# Altium PCB PCB2.PcbDoc (continued)
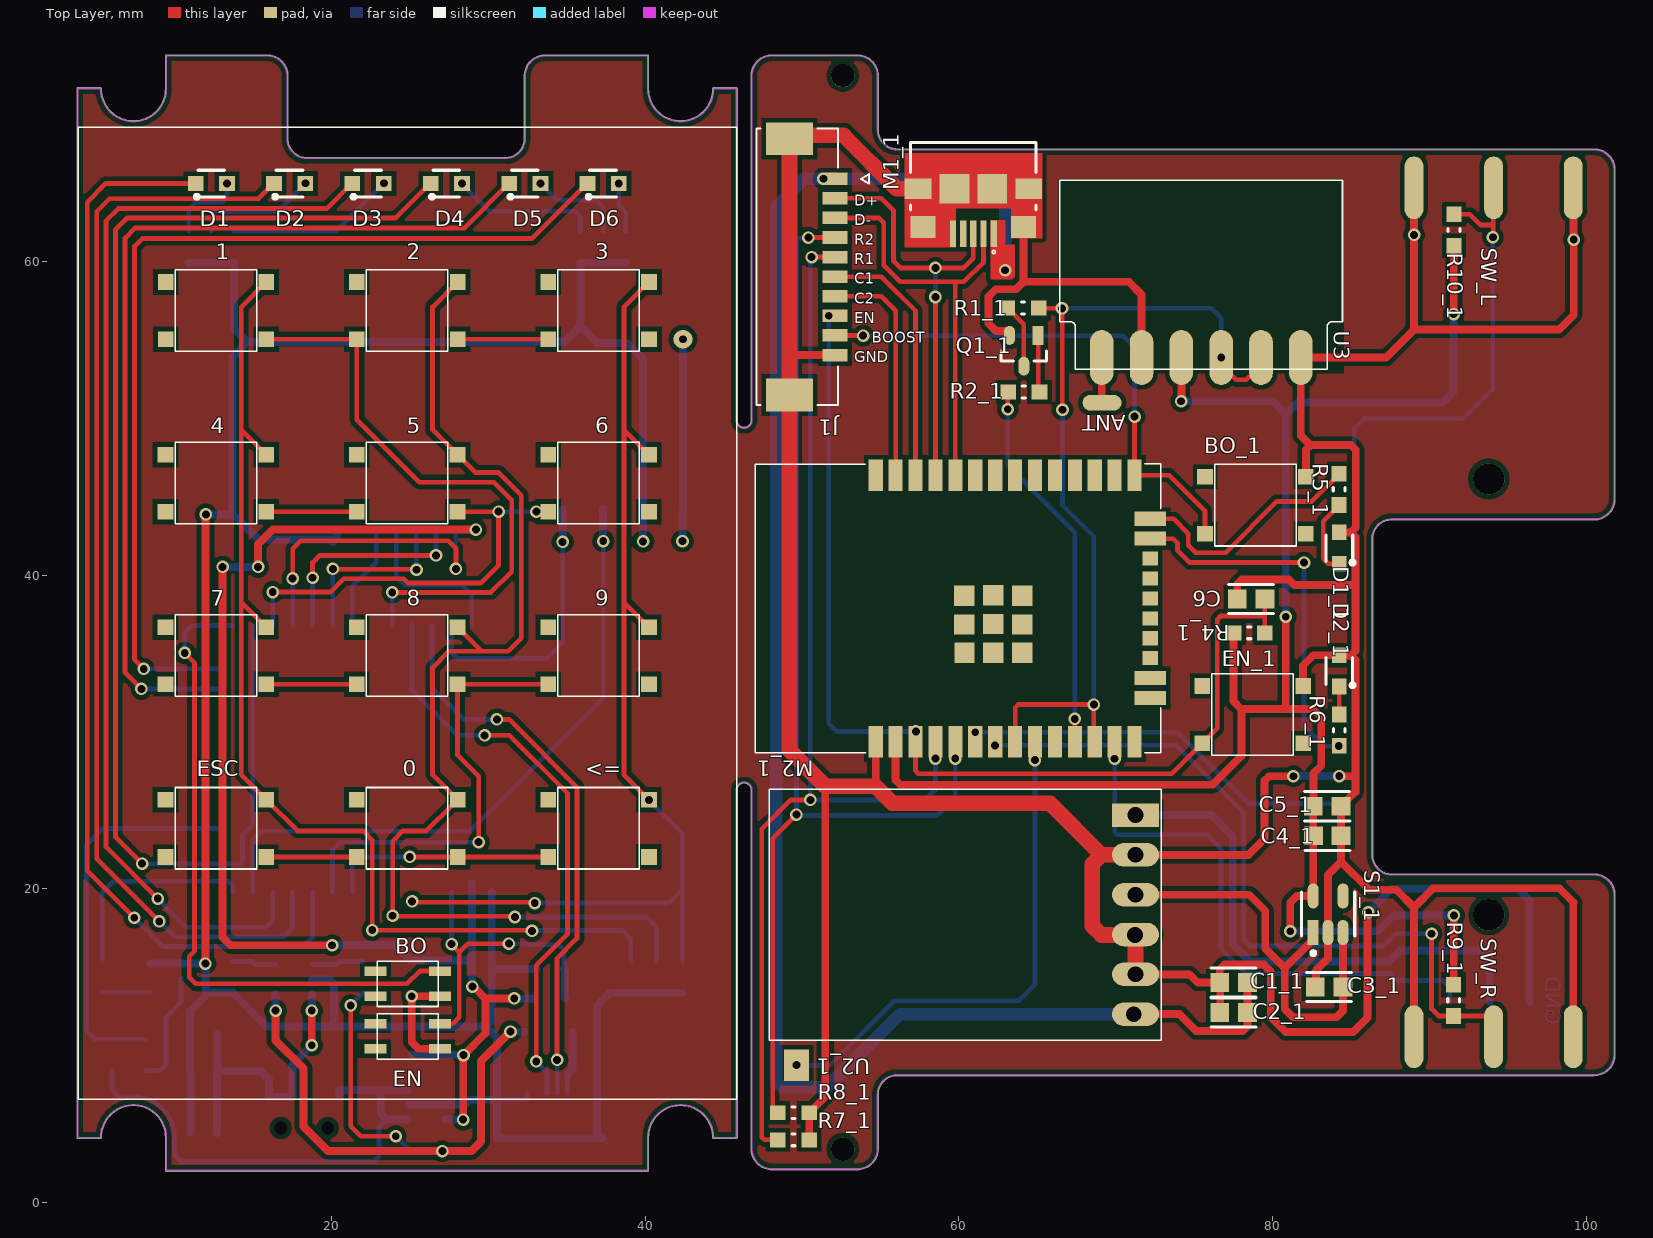
[diagram p0: Top Layer view]
## Part data (continued)

## Free pads (board coordinates)
  rect 1x3 smd far side: 2(12.649,4.674)
  oval 1x3 smd far side: 3(11.024,4.674)
  round 1.5 hole 1.5 unplated: ""(52.586,3.397) ""(52.586,71.892)
  oval 2.5x1 smd: ""(69.132,51.013)
  round 1.5 hole 1: ""(71.157,12.013) ""(71.236,17.067) ""(71.261,14.552) ""(71.261,19.632) ""(71.261,22.172) ""(71.261,24.712)
  oval 1.2x4 smd: ""(89.026,10.572) ""(89.026,64.722) ""(94.106,10.572) ""(94.106,64.722) ""(99.186,10.572) ""(99.186,64.722)
  oval 1.2x4 smd far side: ""(89.034,64.714) ""(91.317,12.826) ""(94.114,64.714) ""(96.397,12.826) ""(99.194,64.714)
  round 2 hole 2 unplated: ""(93.796,18.346) ""(93.796,46.146)
  rect 1.2x4 smd far side: ""(93.857,12.826)

## Via types
v1: diameter 0.8, hole 0.5, Top Layer to Bottom Layer, 91 vias
v2: diameter 0.8, hole 0.5, Top Layer to Bottom Layer, tented bottom, 8 vias
v3: diameter 1.2, hole 0.5, Top Layer to Bottom Layer, 1 vias

## Nets (pads, with @x,y where several pads share a name; then routed paths per layer and width w, separated by ;. In a path a pad name is that pad's centre, name@x,y a point inside that pad or via, vN(x,y) a via of type N, cw(c..) or ccw(c..) an arc to the next point about the centre after c; other vN are vias at no path point)
+3.3: C4.1 C5.1 M1.2 R2.2 S1.5 U1.1 | length 82
  Top Layer w0.5: v1(13.03,40.538) 13.03,16.916 13.538,16.408 v1(20.015,16.408) ; v1(15.291,40.538) 15.291,41.986 16.231,42.926 v1(29.185,42.926) ; v1(28.372,5.283) 28.384,5.296 28.384,9.385 v1(28.397,9.398) 29.794,10.795 29.794,12.827 ; v1(28.968,13.767) 29.042,13.767 29.794,13.015 29.794,12.827 ; v1(31.633,13.015) 29.982,13.015 29.794,12.827
  Bottom Layer w0.5: v1(13.03,40.538) v1(15.291,40.538) ; v1(20.015,16.408) 20.029,16.422 24.04,16.422 25.019,15.443 28.947,15.443 ; C4.1 C5.1 26.954,9.428 28.367,9.428 v1(28.397,9.398) ; S1.5 v1(28.372,5.283) ; M1.2@28.926,20.392 M1.2 28.947,19.782 28.947,15.443 ; v1(28.968,13.767) 28.947,13.788 28.947,15.443 ; v1(31.633,13.015) R2.2
+5: D7.1 DIO1.2 T1.4 | length 30.1
  Top Layer w0.5: v1(16.408,12.243) 16.408,10.338 18.186,8.56 18.186,4.851 19.76,3.278 v1(27.05,3.278) 28.907,3.278 29.515,3.886 29.515,9.021 v1(31.396,10.902)
  Bottom Layer w0.3: v1(27.05,3.278) D7.1
  Bottom Layer w0.5: v1(16.408,12.243) T1.4 ; v1(31.396,10.902) 31.411,10.886 32.294,10.886 DIO1.2
ADC: M1.16 R13.2 R14.2 | length 24.6
  Bottom Layer w0.3: R14.2 R13.2 4.897,10.419 4.343,10.973 4.343,22.784 5.418,23.858 M1.16
ADC_EN: M1.14 R15.2 | length 13.6
  Bottom Layer w0.3: R15.2 5.356,19.783 6.071,20.498 13.386,20.498 13.686,20.198 M1.14
ANT: U2.1 | length 12.9
  Bottom Layer w0.5: v1(42.367,42.189) 42.376,42.198 42.376,44.207 42.389,44.219 42.389,55.063 v3(42.393,55.067)
BAT: C1.1 C3.1 pad.2 SW1.B1 SW1.C1 T1.3 | length 19.6
  Top Layer w0.5: v1(18.72,10.033) v1(18.72,12.243)
  Bottom Layer w0.5: pad.2@12.649,4.42 12.683,4.453 C1.1@12.683,8.374 ; C3.1 C1.1 C1.1@12.683,8.374 ; v1(18.72,10.033) 17.481,8.794 SW1.B1 SW1.C1 15.981,7.869 15.477,8.374 C1.1@12.683,8.374 ; v1(18.72,12.243) 18.73,12.253 18.73,13.263 T1.3
BOOST: BO.2 M1.25 | length 42.1
  Top Layer w0.3: v1(10.617,35.052) 11.239,34.431 11.239,16.039 10.897,15.697 10.897,14.365 11.317,13.945 24.787,13.945 25.601,14.759 BO.2
  Bottom Layer w0.3: v1(10.617,35.052) 10.617,36.347 11.073,36.803 M1.25@13.686,36.803
C1: 0.4 2.4 5.4 8.4 M1.6 R10.2 | length 75.1
  Top Layer w0.3: 8.4 29.567,35.154 ; 2.4 26.424,57.116 26.424,49.301 5.4 29.167,46.558 30.632,46.558 32.082,45.108 32.082,35.994 31.242,35.154 29.567,35.154 ; v1(31.674,18.21) 31.635,18.249 23.915,18.249 v1(23.876,18.288) 23.876,23.038 24.536,23.698 26.026,23.698 27.67,25.342 27.675,25.342 28.02,25.687 28.02,25.692 26.424,27.288 26.424,34.112 27.465,35.154 29.567,35.154
  Bottom Layer w0.3: M1.6 23.876,19.773 v1(23.876,18.288) ; v1(31.674,18.21) 31.676,18.212 40.056,18.212 40.713,17.554 R10.2
C2: 1.4 4.4 7.4 ESC.4 M1.7 R11.2 | length 73.1
  Top Layer w0.3: 7.4 14.224,38.296 ; 4.4 14.224,49.301 ; 1.4 14.224,57.116 14.224,49.301 ; v1(32.766,17.323) 32.729,17.36 22.594,17.36 v1(22.581,17.374) 22.581,23.114 21.996,23.698 17.814,23.698 ESC.4 14.224,27.288 14.224,38.296 ; 14.224,38.296 14.224,49.301
  Bottom Layer w0.3: M1.7 22.581,19.799 v1(22.581,17.374) ; v1(32.766,17.323) 32.791,17.348 38.557,17.348 39.075,16.83 R11.2
C3: 3.4 6.4 9.4 <=.4 M1.5 R12.2 | length 67.7
  Top Layer w0.3: v1(25.121,19.202) 25.171,19.152 32.893,19.152 v1(32.944,19.101) ; v1(40.225,25.663) <=.4 38.629,27.288 38.629,38.296 ; 9.4 38.629,38.296 ; 6.4 38.629,49.301 ; 3.4 38.629,57.116 38.629,49.301 ; 38.629,38.296 38.629,49.301
  Bottom Layer w0.3: v1(32.944,19.101) 41.488,19.101 42.352,19.964 ; v1(40.225,25.663) 42.352,23.536 42.352,19.964 ; R12.2 42.352,19.964
CE: M1.28 U1.3 | length 19.6
  Top Layer w0.3: v1(17.501,39.802) 17.501,41.707 18.009,42.215 27.432,42.215 27.915,41.732 v1(27.915,40.411)
  Bottom Layer w0.3: M1.28 17.501,36.807 v1(17.501,39.802) ; U1.3 27.912,42.973 27.912,40.414 v1(27.915,40.411)
CSN: M1.29 U1.4 | length 13.8
  Top Layer w0.3: v1(18.771,39.853) 18.771,40.818 19.228,41.275 v1(26.645,41.275)
  Bottom Layer w0.3: M1.29 18.771,36.807 v1(18.771,39.853) ; U1.4 26.642,42.973 26.642,41.278 v1(26.645,41.275)
D1: D1.1 M1.10 | length 69.6
  Top Layer w0.3: v1(7.391,18.161) 4.394,21.158 4.394,63.805 5.593,65.003 D1.1
  Bottom Layer w0.3: v1(7.391,18.161) 9.22,16.332 18.186,16.332 18.766,16.912 M1.10
D2: D2.1 M1.11 | length 70.4
  Top Layer w0.3: v1(8.992,17.932) 4.994,21.93 4.994,63.211 5.817,64.033 15.315,64.033 16.285,65.003 D2.1
  Bottom Layer w0.3: v1(8.992,17.932) 9.973,16.951 16.926,16.951 17.496,17.522 M1.11
D3: D3.1 M1.12 | length 71.4
  Top Layer w0.3: v1(8.89,19.38) 5.594,22.676 5.594,62.611 6.382,63.398 19.68,63.398 21.285,65.003 D3.1
  Bottom Layer w0.3: v1(8.89,19.38) 9.602,18.668 10.719,17.551 15.799,17.551 16.226,17.979 M1.12
D4: D4.1 M1.26 | length 84.2
  Top Layer w0.3: v1(7.899,21.615) 6.198,23.317 6.198,62.052 6.944,62.798 24.076,62.798 26.281,65.003 D4.1
  Bottom Layer w0.3: v1(7.899,21.615) 14.124,21.615 14.3,21.791 14.3,23.444 14.956,24.1 M1.26
D5: D5.1 M1.23 | length 60
  Top Layer w0.3: v1(7.849,32.756) 6.807,33.797 6.807,61.519 7.442,62.154 28.436,62.154 31.285,65.003 D5.1
  Bottom Layer w0.3: v1(7.849,32.756) 7.856,32.748 M1.23
D6: D6.1 M1.24 | length 62.4
  Top Layer w0.3: v1(8.001,34.036) 8.001,34.05 7.407,34.644 7.407,60.976 7.925,61.493 32.771,61.493 36.281,65.003 D6.1
  Bottom Layer w0.3: v1(8.001,34.036) 12.668,34.036 M1.24
D+: M1.34 M2.3 | length 37
  Top Layer w0.3: v2(29.743,29.794) 31.329,29.794 35.036,26.087 35.036,17.129 33.034,15.127 v1(33.034,9.003)
  Bottom Layer w0.3: M1.34 25.116,32.669 27.991,29.794 v2(29.743,29.794) ; v1(33.034,9.003) 33.725,8.312 M2.3
D-: M1.35 M2.2 | length 35.9
  Top Layer w0.3: v2(30.531,30.81) 31.318,30.81 35.636,26.492 35.636,16.84 34.366,15.57 v1(34.366,9.093)
  Bottom Layer w0.3: M1.35 26.386,32.847 28.423,30.81 v2(30.531,30.81) ; v1(34.366,9.093) 34.375,9.084 M2.2
DAT: M1.36 U2.4 | length 17.9
  Bottom Layer w0.3: M1.36 27.656,35.056 28.016,34.696 33.68,34.696 34.722,35.738 v1(34.722,42.139)
  Bottom Layer w0.5: v1(34.722,42.139) 34.743,42.16 34.743,44.194 U2.4
EN: C2.1 EN.2 M1.3 R2.1 | length 19.8
  Top Layer w0.3: EN.2 27.711,11.406 28.118,11.813 28.118,15.951 ; v1(27.635,16.485) 27.635,16.434 28.118,15.951 ; v1(31.293,16.51) 28.677,16.51 28.118,15.951
  Bottom Layer w0.3: v1(27.635,16.485) 27.635,19.782 M1.3 ; v1(31.293,16.51) 32.351,16.51 32.414,16.447 34.445,16.447 34.814,16.078 C2.1
  Bottom Layer w0.5: C2.1 34.874,14.824 34.874,13.075 R2.1
GND: BO.1 C1.2 C2.2 C3.2 C4.2 C5.2 EN.1 M1.1 M2.5 M2.6 M2.7 M2.8 M2.9 M2.10 M2.11 pad.3 Q1.2 R1.1 R4.2 R5.2 R6.2 R7.2 R8.2 R9.2 R10.1 R11.1 R12.1 S1.2 T1.2 U1.2 U2.2 | length 197.9
  Top Layer w0.5: v1(11.937,15.241) 11.95,15.254 11.95,43.878 v1(11.963,43.891) ; v1@25.095,13.157 25.096,13.158 26.885,13.158 BO.1 ; v1(25.097,13.153) 25.095,13.152 25.095,10.236 25.525,9.806 EN.1
  Bottom Layer w0.3: M2.7 32.375,6.548 32.425,6.598 M2.5
  Bottom Layer w0.5: Q1.2 v1(11.937,15.241) 11.937,13.386 ; R4.2 R5.2 R6.2 13.761,55.733 14.605,54.889 ; pad.3@10.99,4.453 10.99,8.374 C1.2 C3.2 10.956,12.201 11.937,13.182 11.937,13.386 ; v1(11.963,43.891) 13.614,43.891 13.665,43.942 ; T1.2 19.849,14.224 20.142,13.931 20.142,11.218 ; U1.2 20.289,42.37 20.058,42.139 20.058,42.291 15.316,42.291 13.665,43.942 ; S1.2 28.484,6.233 28.799,6.548 M2.7 ; v1(25.097,13.153) 25.083,13.14 25.083,11.231 C4.2 ; M1.1@30.196,19.803 30.196,14.91 ; C2.2 30.222,14.884 30.196,14.91 ; R9.2 R8.2 R7.2 35.859,55.9 ; v1(39.853,42.164) 39.849,42.168 39.849,44.211 U2.2 39.845,53.805 38.837,54.813 36.946,54.813 35.859,55.9 ; R12.1 R10.1 R11.1 37.735,13.376 36.925,12.566 M2.6 36.925,4.424 M2.8 30.531,4.095 30.525,4.101 M2.7 ; 11.937,13.386 13.691,13.386 R1.1 13.701,13.351 15.834,11.218 20.142,11.218 ; 13.665,43.942 13.665,53.95 14.605,54.889 ; 14.605,54.889 34.849,54.889 35.859,55.9 ; 20.142,11.218 C4.2 ; C4.2 C5.2 29.829,11.218 ; 29.829,11.218 30.196,11.585 30.196,14.91 ; 29.829,11.218 30.525,10.521 M2.7
MISO: M1.31 U1.7 | length 6.8
  Bottom Layer w0.3: M1.31 21.306,39.315 22.829,40.838 U1.7
MOSI: M1.37 U1.6 | length 10.3
  Bottom Layer w0.3: U1.6 24.099,39.96 24.689,39.37 28.321,39.37 28.926,38.765 M1.37
Net0_2: 0.2 ESC.3 | length 5.8
  Top Layer w0.3: ESC.3 0.2@21.59,22.042
Net2_3: 2.3 3.2 | length 5.8
  Top Layer w0.3: 2.3 3.2
Net4_3: 4.3 5.2 | length 5.8
  Top Layer w0.3: 4.3 5.2
Net7_3: 7.3 8.2 | length 5.8
  Top Layer w0.3: 7.3 8.2
NetD1_2: D1.2 R4.1 | length 5.1
  Top Layer w0.3: v1(13.31,65.003) D1.2@13.32,65.014
  Bottom Layer w0.3: R4.1 10.865,63.367 11.303,63.805 13.005,63.805 13.31,64.11 v1(13.31,65.003)
NetD2_2: D2.2 R5.1 | length 7.8
  Bottom Layer w0.3: R5.1 12.313,62.894 12.624,63.205 16.516,63.205 v2(18.324,65.014)
NetD3_2: D3.2 R6.1 | length 10.8
  Top Layer w0.3: v2(23.318,65.011) D3.2@23.32,65.014
  Bottom Layer w0.3: R6.1 20.251,61.944 v2(23.318,65.011)
NetD4_2: D4.2 R7.1 | length 9.4
  Top Layer w0.3: v2(28.296,64.993) D4.2
  Bottom Layer w0.3: v2(28.296,64.993) 28.296,64.973 30.048,63.221 35.509,63.221 35.859,62.871 R7.1
NetD5_2: D5.2 R8.1 | length 6.2
  Bottom Layer w0.3: v1(33.31,65.003) 34.381,63.932 36.852,63.932 37.307,63.477 R8.1
NetD6_2: D6.2 R9.1 | length 3.2
  Top Layer w0.3: v1(38.303,65) D6.2
  Bottom Layer w0.3: v1(38.303,65) 38.303,63.576 38.755,63.124 R9.1
NetD7_2: D7.2 R3.1 | length 13.3
  Top Layer w0.3: v1(21.209,12.573) 21.209,4.877 21.858,4.228 v1(24.079,4.228)
  Bottom Layer w0.3: v1(21.209,12.573) 21.209,12.6 21.956,13.347 R3.1 ; v1@24.079,4.227 25.025,3.282 D7.2
NetDIO1_1: DIO1.1 M2.1 | length 4
  Bottom Layer w0.3: M2.1 35.027,6.975 35.027,8.13 35.075,8.179
  Bottom Layer w0.5: 35.075,8.179 35.075,8.227 35.357,8.509 DIO1.1
NetQ1_1: Q1.1 R15.1 | length 3.1
  Bottom Layer w0.3: R15.1 5.39,13.411 Q1.1
NetQ1_3: Q1.3 R14.1 | length 7.4
  Bottom Layer w0.3: R14.1@8.138,8.394 R14.1 9.079,8.419 9.423,8.763 9.423,11.809 10.378,12.764 Q1.3
NetR1_2: R1.2 T1.6 | length 2.8
  Bottom Layer w0.3: R1.2 14.9,15.376 15.103,15.174 T1.6
NetR3_2: R3.2 T1.1 | length 3.3
  Bottom Layer w0.3: T1.1 20.279,15.174 20.477,15.372 R3.2
NetR13_1: R13.1 S1.1 S1.3 SW1.A1 | length 32.2
  Bottom Layer w0.3: R13.1 5.979,7.153 6.39,6.742 7.346,6.742 cw(c7.346,4.142) 9.932,4.413 9.946,4.349 9.946,3.033 10.363,2.616 22.682,2.616 23.012,2.946 23.012,4.801 23.495,5.283
  Bottom Layer w0.5: SW1.A1 20.481,7.174 20.491,7.183 23.114,7.183 ; S1.1 23.495,5.283 23.114,5.664 23.114,7.183 ; S1.3 23.114,7.183
R1: 1.3 2.2 M1.33 | length 37.8
  Top Layer w0.3: 1.3 2.2 21.595,49.931 25.578,45.949 30.337,45.949 31.482,44.803 31.482,40.245 30.15,38.913 26.137,38.913 26.134,38.911 23.853,38.911 v1(23.851,38.913)
  Bottom Layer w0.3: M1.33 23.851,36.807 v1(23.851,38.913)
R2: 5.3 6.2 M1.27 | length 26.7
  Top Layer w0.3: v1(16.231,38.938) 19.914,38.938 20.761,39.786 24.603,39.786 24.878,39.511 25.886,39.511 25.888,39.513 29.505,39.513 30.632,40.64 v2(30.632,44.069) 30.619,44.055 5.3 ; v2@30.531,44.055 v2@30.537,44.049 ; v1(33.045,44.069) 33.781,44.069 6.2
  Bottom Layer w0.3: M1.27 16.231,36.807 v1(16.231,38.938) ; v2(30.632,44.069) v1(33.045,44.069)
R3: 8.3 9.2 M1.9 | length 28.6
  Top Layer w0.3: v2(29.362,22.987) 29.362,27.178 28.02,28.52 8.3 9.2
  Bottom Layer w0.3: M1.9 20.036,22.5 20.523,22.987 v2(29.362,22.987)
R4: 0.3 <=.2 M1.8 | length 14.5
  Top Layer w0.3: v2(24.974,22.042) 0.3 <=.2
  Bottom Layer w0.3: M1.8 21.306,21.611 21.737,22.042 v2(24.974,22.042)
RF_POW: M1.13 U2.3 | length 41.5
  Bottom Layer w0.3: M1.13 14.956,23.135 15.494,23.673 28.804,23.673 37.313,32.182 v1(37.313,42.189)
  Bottom Layer w0.5: U2.3 37.305,42.197 v1(37.313,42.189)
SCK: M1.30 U1.5 | length 11.6
  Top Layer w0.3: v1(20.066,40.411) 20.091,40.386 25.375,40.386 v1(25.4,40.361)
  Bottom Layer w0.3: M1.30 20.066,36.833 v1(20.066,40.411) ; U1.5 25.384,42.96 25.384,40.376 v1(25.4,40.361)
pads on no net: 0.1 1.1 1.2 2.1 3.1 3.3 4.1 4.2 5.1 6.1 6.3 7.1 7.2 8.1 9.1 9.3 <=.1 <=.3 BO.3 BO.4 BO_1.1 BO_1.2 BO_1.3 BO_1.4 C1_1.1 C1_1.2 C2_1.1 C2_1.2 C3_1.1 C3_1.2 C4_1.1 C4_1.2 C5_1.1 C5_1.2 C6.1 C6.2 D1_1.1 D1_1.2 D2_1.1 D2_1.2 EN.3 EN.4 EN_1.1 EN_1.2 EN_1.3 EN_1.4 ESC.1 ESC.2 J1.1 J1.2 J1.3 J1.4 J1.5 J1.6 J1.7 J1.8 J1.9 J1.10 J1.S1 J1.S2 M1.4 M1.15 M1.17 M1.18 M1.19 M1.20 M1.21 M1.22 M1.32 M1.38 M1.39 M1_1.1 M1_1.2 M1_1.3 M1_1.4 M1_1.5 M1_1.6 M1_1.7 M1_1.8 M1_1.9 M1_1.10 M1_1.11 M2.4 M2_1.1 M2_1.2 M2_1.3 M2_1.4 M2_1.5 M2_1.6 M2_1.7 M2_1.8 M2_1.9 M2_1.10 M2_1.11 M2_1.12 M2_1.13 M2_1.14 M2_1.15 M2_1.16 M2_1.17 M2_1.18 M2_1.19 M2_1.20 M2_1.21 M2_1.22 M2_1.23 M2_1.24 M2_1.25 M2_1.26 M2_1.27 M2_1.28 M2_1.29 M2_1.30 M2_1.31 M2_1.32 M2_1.33 M2_1.34 M2_1.35 M2_1.36 M2_1.37 M2_1.38 M2_1.39 Q1_1.1 Q1_1.2 Q1_1.3 R1_1.1 R1_1.2 R2_1.1 R2_1.2 R4_1.1 R4_1.2 R5_1.1 R5_1.2 R6_1.1 R6_1.2 R7_1.1 R7_1.2 R8_1.1 R8_1.2 R9_1.1 R9_1.2 R10_1.1 R10_1.2 S1.4 S1_1.1 S1_1.2 S1_1.3 S1_1.4 S1_1.5 SW1.MH1 SW1.MH2 SW1.MP1 SW1.MP2 SW1.MP3 SW1.MP4 T1.5 U1.8 U1.9 U1.10 U2_1.1 U2_1.2 U2_1.3 U2_1.4 U2_1.5 U2_1.6 U2_1.7 U3.1 U3.2 U3.3 U3.4 U3.5 U3.6
copper on no net: | length 1307.6
  Top Layer w0.3: 48.453,3.996 47.601,3.996 47.425,4.172 47.425,23.824 49.28,25.678 v1(50.524,25.678) ; 48.453,5.724 48.451,5.724 48.126,6.049 48.126,23.229 v1(49.635,24.738) ; v1(50.397,61.543) 50.403,61.548 52.081,61.548 52.087,61.554 ; v1(50.597,60.304) 52.087,60.304 ; v1(51.699,56.557) 52.083,56.558 v1@52.087,56.554 ; 52.087,55.304 52.091,55.299 53.881,55.299 v1(53.886,55.294) ; 52.087,57.804 55.051,57.804 55.963,56.891 55.963,46.397 ; 52.087,59.054 55.045,59.054 57.233,56.866 57.233,46.397 ; 52.087,62.804 54.877,62.804 55.198,62.483 55.198,59.79 56.265,58.723 59.773,58.723 ; 52.087,64.054 55.049,64.054 55.82,63.283 55.82,60.057 56.265,59.612 v1(58.5,59.612) 60.303,59.612 60.919,60.228 60.919,61.792 ; v1(57.255,30.047) 57.233,30.025 57.233,29.397 57.233,27.53 57.409,27.354 73.584,27.354 75.526,29.297 76.476,30.247 76.476,37.182 76.706,37.412 79.516,37.412 ; 57.719,62.217 58.144,61.792 59.619,61.792 ; v1(58.5,28.32) 58.503,28.323 58.503,29.397 ; v1(58.5,57.758) 58.5,46.4 58.503,46.397 ; v1(59.77,28.32) 59.773,28.323 59.773,29.397 ; 59.773,46.397 59.773,58.723 ; 61.569,61.792 61.569,59.989 60.303,58.723 59.773,58.723 ; 62.219,61.792 62.226,61.785 62.226,60.179 v1(62.945,59.46) ; 63.083,57.057 63.108,57.057 64.139,56.027 64.139,53.349 ; v1(63.11,50.597) 63.11,51.665 63.141,51.696 ; 63.583,29.397 63.583,31.574 63.773,31.763 v1(68.608,31.763) 68.608,29.452 68.663,29.397 ; v1(64.85,28.218) 64.85,29.393 64.853,29.397 ; 65.054,55.306 65.054,51.632 65.064,51.621 ; 65.083,57.057 65.106,57.035 v1(66.575,57.035) 66.591,57.019 66.591,50.582 v1(66.606,50.567) ; v1(67.392,30.846) 67.392,29.399 67.393,29.397 ; v1(69.93,28.308) 69.93,29.393 69.933,29.397 ; v1(71.203,50.13) 71.203,46.397 73.406,46.397 75.701,44.102 75.701,42.647 ; 72.203,42.342 73.661,42.342 73.936,42.067 73.936,41.617 74.736,40.817 v1(82.011,40.817) ; 72.203,43.612 73.688,43.612 74.636,42.663 74.636,41.917 75.111,41.442 77.011,41.442 80.286,44.717 82.506,44.717 84.251,46.462 84.251,46.487 ; v1@76.728,53.898 76.728,53.223 77.282,52.668 77.488,52.668 77.683,52.473 78.313,52.473 78.508,52.668 78.714,52.668 79.268,53.223 79.268,53.898 ; 79.516,36.332 79.516,37.412 ; 79.516,38.492 79.516,37.412 ; 84.251,44.487 84.251,44.462 83.236,43.447 83.236,41.067 83.561,40.742 84.261,40.742 ; 84.256,31.127 84.256,32.908 84.258,32.91 ; v1(90.148,17.144) 90.148,12.343 90.594,11.897 91.555,11.897 93.783,11.897 ; 91.544,63.067 91.581,63.03 92.598,63.03 93.28,62.348 94.083,62.348 ; v1(94.06,61.568) 94.083,61.591 94.083,62.348 ; 94.106,64.722 94.083,64.698 94.083,62.348
  Top Layer w0.5: 48.915,67.854 48.915,67.991 ; 48.915,68.067 49.187,68.067 ; 49.187,54.054 52.087,54.054 ; 50.453,3.996 50.453,5.724 50.478,5.724 50.703,5.949 50.703,5.974 51.474,6.745 51.474,26.557 ; 54.693,26.531 54.693,29.397 ; 55.963,29.397 55.963,26.936 56.256,26.643 76.178,26.643 78.016,28.481 78.016,31.467 ; v1(62.31,29.146) v1@62.313,29.146 ; v1@62.313,29.158 v1@62.313,29.146 ; v1@62.313,29.397 v1@62.313,29.146 ; 63.224,55.306 63.224,55.502 63.131,55.594 62.366,55.594 61.878,56.082 61.878,57.784 62.348,58.254 63.643,58.254 64.119,58.729 ; 64.119,62.217 64.119,58.729 ; 69.108,53.898 69.108,51.037 69.132,51.013 ; 71.158,12.012 74.066,12.012 75.136,10.942 78.108,10.942 78.401,11.235 78.401,12.117 ; 71.261,14.552 74.705,14.552 75.235,14.022 76.641,14.022 76.641,14.875 76.938,15.172 79.444,15.172 79.887,14.73 79.887,11.835 80.852,10.87 85.144,10.87 86.059,11.784 86.059,18.464 v1(86.11,18.515) ; 71.261,19.632 78.522,19.632 79.544,18.61 79.544,16.204 80.786,14.962 ; 71.261,22.172 78.467,22.172 79.496,23.201 79.496,26.899 79.789,27.192 v1(81.336,27.192) ; 71.262,24.713 72.241,24.713 ; 71.648,53.898 71.648,57.92 70.838,58.729 64.119,58.729 ; v1(74.172,51.103) 74.188,51.12 74.188,53.898 ; 76.666,11.822 76.666,13.747 ; 77.516,36.332 77.516,31.967 78.016,31.467 ; 77.756,38.492 77.756,39.444 78.049,39.737 81.041,39.737 81.386,39.392 85.286,39.392 ; 78.401,14.022 78.414,14.01 78.414,12.11 ; v1(80.852,37.362) 80.852,31.467 ; v1(81.131,17.296) 81.131,19.135 81.551,19.555 82.597,19.555 82.602,19.56 82.602,25.266 82.606,25.27 82.606,27.362 83.111,27.867 83.111,30.942 82.586,31.467 80.852,31.467 ; 81.956,32.947 81.956,34.262 82.604,34.91 84.258,34.91 84.276,34.892 84.993,34.892 ; 82.131,46.297 82.131,48.017 82.424,48.31 ; 82.597,17.223 82.597,16.773 80.786,14.962 ; 82.731,13.747 82.773,13.789 82.773,14.804 83.547,15.578 83.547,17.223 83.547,20.906 84.376,21.735 ; v1(84.23,29.107) 84.236,29.107 v1@84.256,29.127 ; v1(84.255,27.202) 84.384,27.202 84.394,27.192 85.261,27.192 85.286,27.217 ; 84.261,42.742 84.993,42.742 ; 84.497,17.223 84.494,17.22 84.494,13.747 84.494,12.225 84.086,11.817 81.311,11.817 80.786,12.342 80.786,14.962 ; 89.026,12.452 89.026,18.816 ; 89.026,64.722 89.028,64.719 89.028,61.723 v1(89.031,61.721) 89.031,55.675 ; v1(91.554,56.665) 91.567,56.678 91.567,61.017 91.581,61.03 ; 91.555,13.897 91.563,13.905 91.563,18.304 v1(91.571,18.312) ; 93.783,11.897 94.106,12.221 ; 99.186,10.572 99.186,19.095 99.216,19.125 98.302,20.039 90.25,20.039 89.026,18.816 ; 99.186,64.722 99.201,64.707 99.201,61.431 v1(99.216,61.416) 99.216,56.615 98.276,55.675 89.031,55.675 ; 78.016,31.467 80.852,31.467 ; 82.424,48.31 85.018,48.31 85.311,48.017 85.311,43.06 84.993,42.742 ; 82.424,48.31 81.808,48.926 81.808,53.898 87.253,53.898 89.031,55.675 ; 84.376,21.735 84.376,23.397 84.371,23.402 84.371,25.265 84.366,25.27 85.286,26.19 85.286,27.217 ; 84.376,21.735 86.167,19.944 87.898,19.944 89.026,18.816 ; 84.993,34.892 85.286,35.185 85.286,39.392 ; 84.993,34.892 85.286,34.599 85.286,27.217 ; 84.993,42.742 85.286,42.449 85.286,39.392
  Top Layer w0.8: v1(51.36,65.304) 52.087,65.304
  Top Layer w1: 57.719,62.217 57.719,64.52 57.569,64.67 ; 64.119,62.217 64.119,64.52 64.269,64.67 ; 64.448,64.67 64.269,64.67 ; 71.261,14.552 71.261,17.092 71.236,17.067 69.097,17.067 68.511,17.653 68.511,21.586 69.097,22.172 ; 71.261,22.172 69.097,22.172 ; 57.569,64.67 57.388,64.67 56.033,64.67 52.636,68.067 49.4,68.067 49.187,67.854 49.187,54.054 49.187,51.504 49.187,28.844 51.474,26.557 54.667,26.557 54.693,26.531 55.763,25.461 65.808,25.461 69.097,22.172 ; 57.569,64.67 64.269,64.67
  Bottom Layer w0.3: v1(49.642,8.76) 49.666,8.736 51.743,8.736 55.87,12.863 63.82,12.863 64.85,13.892 v1(64.85,28.218) ; v1(50.397,61.543) 50.381,61.527 49.811,61.527 49.635,61.351 v1(49.635,24.738) 49.684,24.689 58.603,24.689 59.773,25.859 59.773,28.316 v1(59.77,28.32) ; v1(50.597,60.304) 50.524,60.231 v1(50.524,25.678) 57.865,25.678 58.5,26.313 v1(58.5,28.32) ; v1(51.699,56.557) 51.693,56.551 51.693,30.553 52.198,30.047 v1(57.255,30.047) ; v1(53.886,55.294) 70.456,55.294 71.203,54.547 v1(71.203,50.13) ; v1(58.5,57.758) v1(58.5,59.612) ; v1(61.04,29.996) 73.918,29.996 78.48,25.434 84.651,25.434 85.221,26.004 85.221,49.351 85.856,49.986 92.18,49.986 94.06,51.865 v1(94.06,61.568) ; v1(62.31,29.146) 62.322,29.158 73.869,29.158 78.172,24.855 78.172,16.75 78.566,16.356 87.1,16.356 87.888,17.144 v1(90.148,17.144) ; v1(63.11,50.597) 63.11,47.04 67.392,42.759 v1(67.392,30.846) ; v1(66.575,57.035) 66.588,57.047 76.102,57.047 76.737,56.412 v1(76.737,53.897) ; v1(66.606,50.567) 66.606,44.484 68.608,42.482 v1(68.608,31.763) ; v1(69.93,28.308) 69.93,23.623 70.105,23.447 75.831,23.447 76.715,22.563 76.715,16.2 78.312,14.604 87.557,14.604 88.006,14.155 90.901,14.155 91.317,13.739 91.317,12.826 ; v1(82.011,40.817) 82.011,30.386 83.29,29.107 v1(84.23,29.107) ; v1@94.083,61.591 94.083,64.698
  Bottom Layer w0.5: 71.261,24.713 76.121,24.713 77.469,23.364 77.469,16.462 78.566,15.366 87.43,15.366 88.142,16.077 93.564,16.077 93.857,15.784 93.857,12.826 ; v1(74.172,51.103) 80.014,51.103 80.852,50.265 ; v1(80.852,37.362) 80.852,50.265 ; v1(81.131,17.296) 86.719,17.296 87.735,18.312 v1(91.571,18.312) ; v1(81.336,27.192) 81.341,27.197 84.25,27.197 v1(84.255,27.202) ; v1(86.11,18.515) 87.608,20.014 95.66,20.014 96.397,19.277 96.397,12.826 ; 89.026,64.722 89.028,64.719 89.028,61.723 v1(89.031,61.721) ; v1(91.554,56.665) 91.554,51.722 90.859,51.027 81.614,51.027 80.852,50.265 ; v1(94.06,61.568) v1@94.083,61.591 ; 94.083,64.698 94.106,64.722 ; 99.186,64.722 99.194,64.714 99.201,64.707 99.201,61.431 v1(99.216,61.416)
  Bottom Layer w0.8: v1(62.945,59.46) 62.945,63.702 61.342,65.304 50.146,65.304 48.34,63.499 48.34,7.733 48.734,7.339 51.566,7.339 56.239,12.013 71.157,12.013

## Polygon pours and split planes (outlines as drawn)
no net on Top Layer "NONET_L01_P000" (solid, pour order 0): 5.246,4.092 ccw(c5.246,4.142) 5.297,4.142 cw(c7.346,4.142) 9.396,4.142 9.396,2.042 ccw(c9.446,2.042) 9.446,1.992 40.146,1.992 ccw(c40.146,2.042) 40.197,2.042 40.197,4.142 cw(c42.246,4.142) 44.296,4.142 ccw(c44.346,4.142) 44.346,4.092 45.796,4.092 ccw(c45.796,4.142) 45.847,4.142 45.847,26.314 cw(c46.296,26.314) 46.746,26.314 46.746,3.417 ccw(c48.066,3.417) 48.066,2.097 53.526,2.097 ccw(c53.526,3.417) 54.847,3.417 54.847,6.877 cw(c56.066,6.877) 56.066,8.097 100.526,8.097 ccw(c100.526,9.417) 101.847,9.417 101.847,19.627 ccw(c100.526,19.627) 100.526,20.947 87.606,20.947 cw(c87.606,22.167) 86.387,22.167 86.387,42.327 cw(c87.606,42.327) 87.606,43.547 100.526,43.547 ccw(c100.526,44.867) 101.847,44.867 101.847,65.877 ccw(c100.526,65.877) 100.526,67.197 56.067,67.197 cw(c56.067,68.418) 54.847,68.417 54.847,71.872 ccw(c53.526,71.872) 53.526,73.192 48.066,73.192 ccw(c48.066,71.872) 46.746,71.872 46.746,49.886 cw(c46.296,49.886) 45.847,49.886 45.847,71.042 ccw(c45.796,71.042) 45.796,71.092 44.346,71.092 ccw(c44.346,71.042) 44.296,71.042 cw(c42.246,71.042) 40.197,71.042 40.197,73.142 ccw(c40.146,73.142) 40.146,73.192 33.604,73.192 ccw(c33.604,71.872) 32.284,71.872 32.284,67.869 cw(c31.064,67.869) 31.064,66.649 18.415,66.649 cw(c18.415,67.869) 17.195,67.869 17.195,71.872 ccw(c15.875,71.872) 15.875,73.192 9.446,73.192 ccw(c9.446,73.142) 9.396,73.142 9.396,71.042 cw(c7.346,71.042) 5.297,71.042 ccw(c5.246,71.042) 5.246,71.092 3.796,71.092 ccw(c3.796,71.042) 3.746,71.042 3.746,4.142 ccw(c3.796,4.142) 3.796,4.092
no net on Bottom Layer "NONET_L02_P001" (solid, pour order 1): 5.246,4.092 ccw(c5.246,4.142) 5.297,4.142 cw(c7.346,4.142) 9.396,4.142 9.396,2.042 ccw(c9.446,2.042) 9.446,1.992 40.146,1.992 ccw(c40.146,2.042) 40.197,2.042 40.197,4.142 cw(c42.246,4.142) 44.296,4.142 ccw(c44.346,4.142) 44.346,4.092 45.796,4.092 ccw(c45.796,4.142) 45.847,4.142 45.847,26.314 cw(c46.296,26.314) 46.746,26.314 46.746,3.417 ccw(c48.066,3.417) 48.066,2.097 53.526,2.097 ccw(c53.526,3.417) 54.847,3.417 54.847,6.877 cw(c56.066,6.877) 56.066,8.097 100.526,8.097 ccw(c100.526,9.417) 101.847,9.417 101.847,19.627 ccw(c100.526,19.627) 100.526,20.947 87.606,20.947 cw(c87.606,22.167) 86.387,22.167 86.387,42.327 cw(c87.606,42.327) 87.606,43.547 100.526,43.547 ccw(c100.526,44.867) 101.847,44.867 101.847,65.877 ccw(c100.526,65.877) 100.526,67.197 56.067,67.197 cw(c56.067,68.418) 54.847,68.417 54.847,71.872 ccw(c53.526,71.872) 53.526,73.192 48.066,73.192 ccw(c48.066,71.872) 46.746,71.872 46.746,49.886 cw(c46.296,49.886) 45.847,49.886 45.847,71.042 ccw(c45.796,71.042) 45.796,71.092 44.346,71.092 ccw(c44.346,71.042) 44.296,71.042 cw(c42.246,71.042) 40.197,71.042 40.197,73.142 ccw(c40.146,73.142) 40.146,73.192 33.604,73.192 ccw(c33.604,71.872) 32.284,71.872 32.284,67.869 cw(c31.064,67.869) 31.064,66.649 18.415,66.649 cw(c18.415,67.869) 17.195,67.869 17.195,71.872 ccw(c15.875,71.872) 15.875,73.192 9.446,73.192 ccw(c9.446,73.142) 9.396,73.142 9.396,71.042 cw(c7.346,71.042) 5.297,71.042 ccw(c5.246,71.042) 5.246,71.092 3.796,71.092 ccw(c3.796,71.042) 3.746,71.042 3.746,4.142 ccw(c3.796,4.142) 3.796,4.092

## Keep-outs
Keep-Out Layer:
  lines w0.1: 100.526,67.147 cw(c100.526,65.877) 101.796,65.877 ; 100.526,67.147 cw(c100.526,65.877) 101.796,65.877 ; 100.526,67.147 56.066,67.147 cw(c56.066,68.417) 54.796,68.417 54.796,71.872 ccw(c53.526,71.872) 53.526,73.142 48.066,73.142 ccw(c48.066,71.872) 46.796,71.872 46.796,49.886 cw(c46.296,49.886) 45.796,49.886 45.796,71.042 44.346,71.042 cw(c42.246,71.042) 40.146,71.042 40.146,73.142 33.604,73.142 ccw(c33.604,71.872) 32.334,71.872 32.334,67.869 cw(c31.064,67.869) 31.064,66.599 18.415,66.599 cw(c18.415,67.869) 17.145,67.869 17.145,71.872 ccw(c15.875,71.872) 15.875,73.142 9.446,73.142 9.446,71.042 cw(c7.346,71.042) 5.246,71.042 3.796,71.042 3.796,4.142 5.246,4.142 cw(c7.346,4.142) 9.446,4.142 9.446,2.042 40.146,2.042 40.146,4.142 cw(c42.246,4.142) 44.346,4.142 45.796,4.142 45.796,26.314 cw(c46.296,26.314) 46.796,26.314 46.796,3.417 ccw(c48.066,3.417) 48.066,2.147 53.526,2.147 ccw(c53.526,3.417) 54.796,3.417 54.796,6.877 cw(c56.066,6.877) 56.066,8.147 100.526,8.147 ccw(c100.526,9.417) 101.796,9.417 101.796,19.627 ccw(c100.526,19.627) 100.526,20.897 87.606,20.897 cw(c87.606,22.167) 86.336,22.167 86.336,42.327 cw(c87.606,42.327) 87.606,43.597 100.526,43.597 ccw(c100.526,44.867) 101.796,44.867 101.796,65.877

## Other copper
Top Layer:
  pour cut-out: 46.99,47.066 46.99,28.677 72.847,28.677 72.847,47.066
  pour cut-out: 72.949,10.312 72.949,26.416 47.828,26.416 47.828,10.287 72.923,10.287
  pour cut-out: 84.582,65.303 66.345,65.303 66.345,52.857 84.582,52.857
  region: 56.731,61.517 56.541,61.517 56.541,66.927 65.301,66.927 65.301,61.517 63.321,61.517 63.321,63.427 59.811,63.427 59.811,60.947 56.541,60.947 56.541,61.557
  region: 62.226,61.785 62.021,61.785 62.021,62.641 62.951,62.641 62.951,61.093 63.575,61.093 63.575,59.057 63.395,58.877 62.019,58.877 62.019,61.792 62.219,61.792
Bottom Layer:
  pour cut-out: 32.029,66.396 17.247,66.396 17.247,41.072 32.029,41.072
  pour cut-out: 43.993,43.053 43.993,53.645 33.172,53.645 33.172,43.053
  pour cut-out: 11.506,37.77 38.252,37.77 38.252,18.923 11.506,18.923
  pour cut-out: 38.252,2.286 38.252,9.677 29.261,9.677 29.261,2.286
  text "GND" at 97.409,11.303 h1 r270

## Silkscreen, mask and mechanical layers (free items; w line width, h text height)
Top Overlay:
  lines w0.1: 3.822,6.58 45.822,6.58 45.822,68.58 3.822,68.58 3.822,6.58
  text "D+" at 53.331,63.58 h0.7
  text "D-" at 53.331,62.332 h0.7
  text "R2" at 53.331,61.085 h0.7
  text "SW_L" at 93.31,60.915 h1 r270
  text "R1" at 53.331,59.837 h0.7
  text "C1" at 53.331,58.59 h0.7
  text "C2" at 53.331,57.343 h0.7
  text "EN" at 53.331,56.095 h0.7
  text "BOOST" at 54.425,54.848 h0.7
  text "GND" at 53.331,53.6 h0.7
  text "ANT" at 70.641,50.212 h1 r180
  text "SW_R" at 93.279,16.856 h1 r270
Bottom Overlay:
  text "BAT" at 13.11,6.474 h1
  text "ON" at 19.968,2.257 h1